# Altium PCB bms_afe_tester-1_0.PcbDoc (part 2 of 4) (continued)
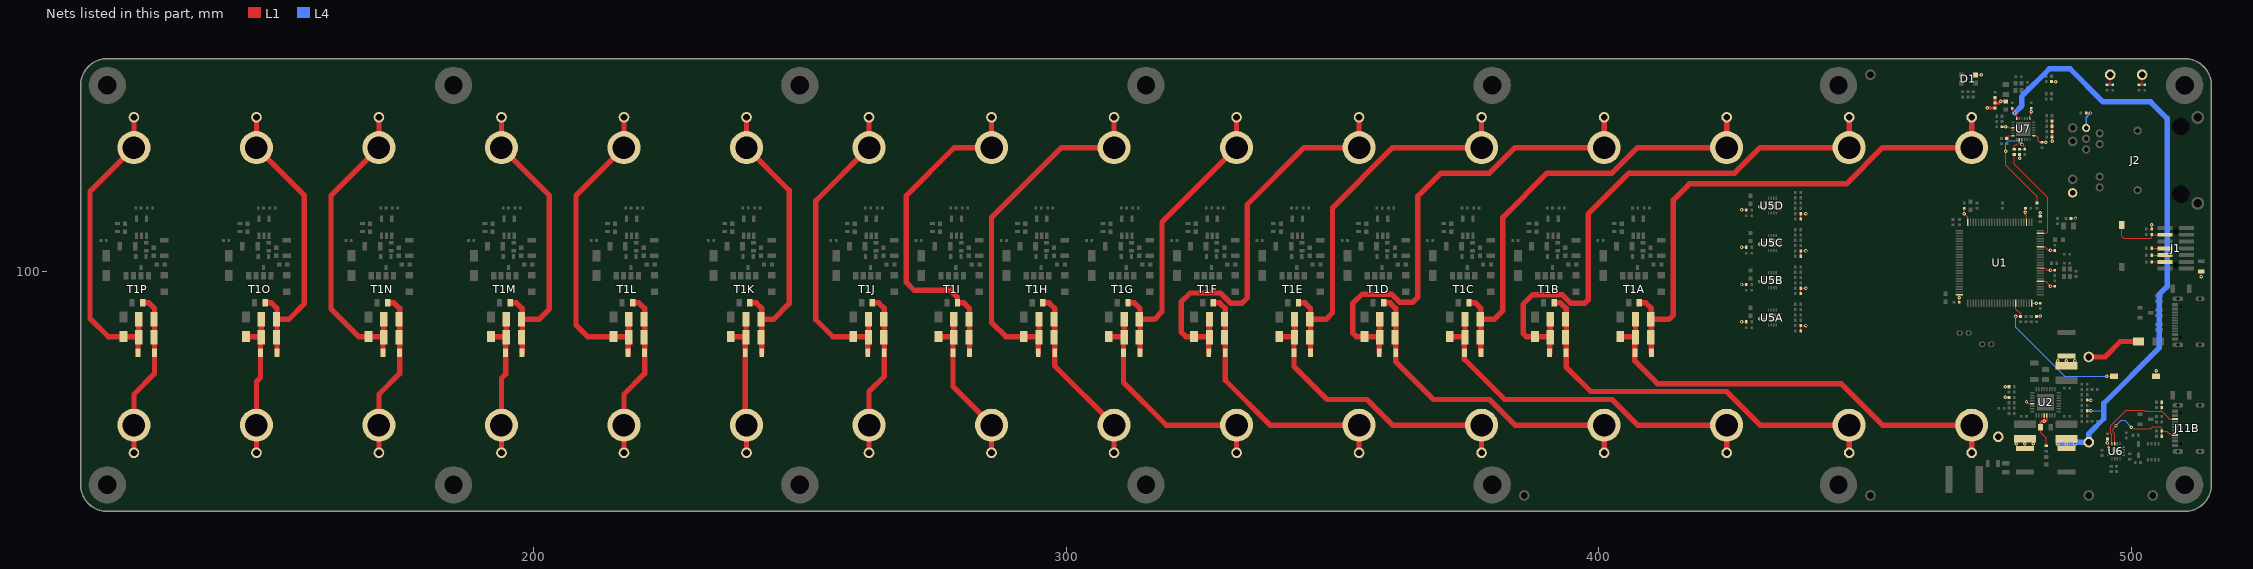
[diagram p4: the nets of this part, all layers, seen from the top]
## Part data (continued)
Q3: library part PFET_60V_DMP6023LFGQ-13, "Small Signal Field-Effect Transistor, 7.7A I(D), 60V, 1-Element, P-Channel, Silicon, Metal-oxide Semiconductor FET", Current="7.7 A", Manufacturer=Diodes, Supplier Part Number 1=31-DMP6023LFGQ-13CT-ND, Voltage="60 V", ComponentLink1Description=Datasheet, ComponentLink1URL=https://www.diodes.com/assets/Datasheets/DMP6023LFGQ.pdf, Manufacturer Part Number=DMP6023LFGQ-13, Supplier 1=Digikey, Supplier 2=LCSC, Supplier Part Number 2=C672173
R1 R2 R7 R9 R12A R12B R13A R13B R24 R30 R39 R42 R48 R50 R51 R52 R54 R56 R57 R58 R60 R61 R62 R63 R64 R65 R67A R67B R67C R67D R67E R67F R67G R67H R67I R67J R67K R67L R67M R67N R67O R67P R74A R74B R74C R74D R75A R75B R75C R75D R76 R77 R78 R79 R80 R83 R85 R87 R88 R89 R90 R95 R96 R97 R98: Manufacturer="UNI-ROYAL(Uniroyal Elec)", Package=0402, Power Rating (mW)=62.5, Temperature Coefficient=Â±100ppm/â„ƒ, Tolerance=1%, ComponentLink1Description=Datasheet, Supplier 2=LCSC
  R1 R2 R7 R24 R39 R60 R96 R97: ComponentLink1URL=https://wmsc.lcsc.com/wmsc/upload/file/pdf/v2/lcsc/2206010216_UNI-ROYAL-Uniroyal-Elec-0402WGF1001TCE_C11702.pdf, Manufacturer Part Number=0402WGF1001TCE, Supplier Part Number 2=C11702
  R9 R78: ComponentLink1URL=https://wmsc.lcsc.com/wmsc/upload/file/pdf/v2/lcsc/2206010045_UNI-ROYAL-Uniroyal-Elec-0402WGF9103TCE_C25800.pdf, Manufacturer Part Number=0402WGF9103TCE, Supplier Part Number 2=C25800
  R12A R12B R13A R13B: ComponentLink1URL=https://wmsc.lcsc.com/wmsc/upload/file/pdf/v2/lcsc/2206010045_UNI-ROYAL-Uniroyal-Elec-0402WGF5101TCE_C25905.pdf, Manufacturer Part Number=0402WGF5101TCE, Supplier Part Number 2=C25905
  R30 R51 R56 R61 R62 R63 R64 R65 R74A R74B R74C R74D R75A R75B R75C R75D R77 R83 R95 R98: ComponentLink1URL=https://wmsc.lcsc.com/wmsc/upload/file/pdf/v2/lcsc/2206010100_UNI-ROYAL-Uniroyal-Elec-0402WGF1002TCE_C25744.pdf, Manufacturer Part Number=0402WGF1002TCE, Supplier Part Number 2=C25744
  R42 R85: ComponentLink1URL=https://wmsc.lcsc.com/wmsc/upload/file/pdf/v2/lcsc/2205311900_UNI-ROYAL-Uniroyal-Elec-0402WGF3300TCE_C25104.pdf, Manufacturer Part Number=0402WGF3300TCE, Supplier Part Number 2=C25104
  R48: ComponentLink1URL=https://wmsc.lcsc.com/wmsc/upload/file/pdf/v2/lcsc/2206010030_UNI-ROYAL-Uniroyal-Elec-0402WGF7322TCE_C26986.pdf, Manufacturer Part Number=0402WGF7322TCE, Supplier Part Number 2=C26986
  R50: ComponentLink1URL=https://wmsc.lcsc.com/wmsc/upload/file/pdf/v2/lcsc/2206010045_UNI-ROYAL-Uniroyal-Elec-0402WGF8872TCE_C25922.pdf, Manufacturer Part Number=0402WGF8872TCE, Supplier Part Number 2=C25922
  R52 R54: ComponentLink1URL=https://wmsc.lcsc.com/wmsc/upload/file/pdf/v2/lcsc/2206010045_UNI-ROYAL-Uniroyal-Elec-0402WGF1501TCE_C25867.pdf, Manufacturer Part Number=0402WGF1501TCE, Supplier Part Number 2=C25867
  R57 R76: ComponentLink1URL=https://wmsc.lcsc.com/wmsc/upload/file/pdf/v2/lcsc/2206010100_UNI-ROYAL-Uniroyal-Elec-0402WGF1003TCE_C25741.pdf, Manufacturer Part Number=0402WGF1003TCE, Supplier Part Number 2=C25741
  R58: ComponentLink1URL=https://wmsc.lcsc.com/wmsc/upload/file/pdf/v2/lcsc/2206010100_UNI-ROYAL-Uniroyal-Elec-0402WGF3302TCE_C25779.pdf, Manufacturer Part Number=0402WGF3302TCE, Supplier Part Number 2=C25779
  R67A R67B R67C R67D R67E R67F R67G R67H R67I R67J R67K R67L R67M R67N R67O R67P: ComponentLink1URL=https://wmsc.lcsc.com/wmsc/upload/file/pdf/v2/lcsc/2411221126_UNI-ROYAL-Uniroyal-Elec-0402WGF6491TCE_C25916.pdf, Manufacturer Part Number=0402WGF6491TCE, Supplier Part Number 2=C25916
  R79 R80: ComponentLink1URL=https://wmsc.lcsc.com/wmsc/upload/file/pdf/v2/lcsc/2206010045_UNI-ROYAL-Uniroyal-Elec-0402WGF6041TCE_C25913.pdf, Manufacturer Part Number=0402WGF6041TCE, Supplier Part Number 2=C25913
  R87 R88 R89 R90: ComponentLink1URL=https://wmsc.lcsc.com/wmsc/upload/file/pdf/v2/lcsc/2205311900_UNI-ROYAL-Uniroyal-Elec-0402WGF499JTCE_C25120.pdf, Manufacturer Part Number=0402WGF499JTCE, Supplier Part Number 2=C25120
R3 R4 R5 R6 R22 R26 R32 R35 R36 R38 R40 R41 R69A R69B R69C R69D R81 R82 R91 R92 R93 R128A R128B R129A R129B: Manufacturer="Vishay Intertech", Package=0402, Power Rating (mW)=63, Temperature Coefficient=Â±100ppm/â„ƒ, Tolerance=1%, ComponentLink1Description=Datasheet, ComponentLink1URL=https://wmsc.lcsc.com/wmsc/upload/file/pdf/v2/lcsc/2304140030_Vishay-Intertech-CRCW040233R0FKED_C242490.pdf, Manufacturer Part Number=CRCW040233R0FKED, Supplier 2=LCSC, Supplier Part Number 2=C242490
R8A R8B R8C R8D R8E R8F R8G R8H R8I R8J R8K R8L R8M R8N R8O R8P R14A R14B R14C R14D R14E R14F R14G R14H R14I R14J R14K R14L R14M R14N R14O R14P: Manufacturer="Vishay Intertech", Package=0603, Power Rating (mW)=333, Temperature Coefficient=Â±100ppm/â„ƒ, Tolerance=1%, ComponentLink1Description=Datasheet, ComponentLink1URL=https://wmsc.lcsc.com/wmsc/upload/file/pdf/v2/lcsc/2312110926_Vishay-Intertech-CRCW06034R70FKEAHP_C313771.pdf, Manufacturer Part Number=CRCW06034R70FKEAHP, Supplier 2=LCSC, Supplier Part Number 2=C313771
R10A R10B R10C R10D R10E R10F R10G R10H R10I R10J R10K R10L R10M R10N R10O R10P: Manufacturer="ROHM Semicon", Package=1206, Power Rating (mW)=500, Temperature Coefficient=Â±100ppm/â„ƒ, Tolerance=1%, ComponentLink1Description=Datasheet, ComponentLink1URL=https://datasheet.lcsc.com/lcsc/2304140030_ROHM-Semicon-ESR18EZPF2202_C2105413.pdf, Manufacturer Part Number=ESR18EZPF2202, Supplier 2=LCSC, Supplier Part Number 2=C2105413
R11 R84: Manufacturer="Vishay Intertech", Package=0402, Power Rating (mW)=62.5, Temperature Coefficient=Â±100ppm/â„ƒ, Tolerance=1%, ComponentLink1Description=Datasheet, ComponentLink1URL=https://datasheet.lcsc.com/lcsc/2304140030_Vishay-Intertech-CRCW04021R00FKEDC_C2077765.pdf, Manufacturer Part Number=CRCW04021R00FKEDC, Supplier 2=LCSC, Supplier Part Number 2=C2077765
R20: Manufacturer="Viking Tech", Package=0805, Power Rating (mW)=100, Temperature Coefficient=Â±25ppm/â„ƒ, Tolerance=1%, ComponentLink1Description=Datasheet, ComponentLink1URL=https://wmsc.lcsc.com/wmsc/upload/file/pdf/v2/lcsc/2409280202_Viking-Tech-AR05FTC1000_C234699.pdf, Manufacturer Part Number=AR05FTC1000, Supplier 2=LCSC, Supplier Part Number 2=C234699
R49: Manufacturer="UNI-ROYAL(Uniroyal Elec)", Package=0805, Power Rating (mW)=333.3, Temperature Coefficient=Â±100ppm/â„ƒ, Tolerance=1%, ComponentLink1Description=Datasheet, ComponentLink1URL=https://datasheet.lcsc.com/lcsc/2304140030_UNI-ROYAL-Uniroyal-Elec-HP05W3F220KT5E_C2759317.pdf, Manufacturer Part Number=HP05W3F220KT5E, Supplier 2=LCSC, Supplier Part Number 2=C2759317
R59: Manufacturer=FOJAN, Package=0402, Power Rating (mW)=62.5, Temperature Coefficient=Â±100ppm/â„ƒ, Tolerance=1%, ComponentLink1Description=Datasheet, ComponentLink1URL=https://datasheet.lcsc.com/lcsc/2308241947_FOJAN-FRC0402F4532TS_C2933099.pdf, Manufacturer Part Number=FRC0402F4532TS, Supplier 2=LCSC, Supplier Part Number 2=C2933099
R66A R66B R66C R66D R66E R66F R66G R66H R66I R66J R66K R66L R66M R66N R66O R66P: Manufacturer="UNI-ROYAL(Uniroyal Elec)", Package=1206, Power Rating (mW)=500, Temperature Coefficient=Â±100ppm/â„ƒ, Tolerance=1%, ComponentLink1Description=Datasheet, ComponentLink1URL=https://wmsc.lcsc.com/wmsc/upload/file/pdf/v2/lcsc/2304140030_UNI-ROYAL-Uniroyal-Elec-HP06W2F120KT5E_C414958.pdf, Manufacturer Part Number=HP06W2F120KT5E, Supplier 2=LCSC, Supplier Part Number 2=C414958
R68A R68B R68C R68D R68E R68F R68G R68H R68I R68J R68K R68L R68M R68N R68O R68P R86: Manufacturer=YAGEO, Package=0402, Power Rating (mW)=62.5, Temperature Coefficient=Â±100ppm/â„ƒ, Tolerance=1%, ComponentLink1Description=Datasheet, Supplier 2=LCSC
  R68A R68B R68C R68D R68E R68F R68G R68H R68I R68J R68K R68L R68M R68N R68O R68P: ComponentLink1URL=https://wmsc.lcsc.com/wmsc/upload/file/pdf/v2/lcsc/2304140030_YAGEO-RC0402FR-076K98L_C137944.pdf, Manufacturer Part Number=RC0402FR-076K98L, Supplier Part Number 2=C137944
  R86: ComponentLink1URL=https://wmsc.lcsc.com/wmsc/upload/file/pdf/v2/lcsc/2304140030_YAGEO-RC0402FR-0712K1L_C132157.pdf, Manufacturer Part Number=RC0402FR-0712K1L, Supplier Part Number 2=C132157
R70A R70B R70C R70D R71A R71B R71C R71D R72A R72B R72C R72D R73A R73B R73C R73D: Manufacturer="UNI-ROYAL(Uniroyal Elec)", Package=0402, Power Rating (mW)=62.5, ComponentLink1Description=Datasheet, ComponentLink1URL=https://wmsc.lcsc.com/wmsc/upload/file/pdf/v2/lcsc/2206010216_UNI-ROYAL-Uniroyal-Elec-0402WGF0000TCE_C17168.pdf, Manufacturer Part Number=0402WGF0000TCE, Supplier 2=LCSC, Supplier Part Number 2=C17168
S2 S3: library part SWITCH_TS-1092S-B3D2-G, "SWITCH TACTILE SPST-NO", Manufacturer=Yuandi, Supplier Part Number 1=C520860, ComponentLink1Description=Datasheet, ComponentLink1URL=https://www.lcsc.com/datasheet/lcsc_datasheet_2005071437_Yuandi-TS-1092S-B3D2-G_C520860.pdf, Manufacturer Part Number=TS-1092S-B3D2-G, Supplier 1=LCSC
T1A T1B T1C T1D T1E T1F T1G T1H T1I T1J T1K T1L T1M T1N T1O T1P: library part TRANS_PULSE_PH9585.003NLT, "Flyback Converters For SMPS Transformer 2250V Isolation 430kHz Surface Mount", Manufacturer="Pulse Electronics", Supplier Part Number 1=553-PH9585.003NLTCT-ND, ComponentLink1Description=Datasheet, ComponentLink1URL=https://yageogroup.com/content/datasheet/asset/file/DATASHEET_P858, Manufacturer Part Number=PH9585.003NLT, Supplier 1=Digikey, Supplier 2=LCSC, Supplier Part Number 2=C17554365
TP1 TP2: library part RH-5002, "THT white clip turret", Manufacturer=ronghe, Supplier Part Number 1=C5199802, ComponentLink1Description=Datasheet, ComponentLink1URL=https://datasheet.lcsc.com/lcsc/2307040929_ronghe-RH-5000_C5277086.pdf, Manufacturer Part Number=RH-5002, Supplier 1=LCSC
TP3 TP4 TP5 TP6 TP7 TP8 TP9 TP10 TP11 TP12 TP13 TP14 TP15 TP16 TP17 TP18 TP19 TP20 TP21 TP22 TP23 TP24 TP25 TP26 TP27 TP28 TP29 TP30 TP31 TP32 TP33 TP34 TP35 TP36 TP37 TP38 TP39 TP41 TP43 TP45: Manufacturer=ronghe, ComponentLink1Description=Datasheet, ComponentLink1URL=https://datasheet.lcsc.com/lcsc/2307040929_ronghe-RH-5000_C5277086.pdf, Supplier 2=LCSC
  TP3 TP4 TP6 TP8 TP10 TP12 TP14 TP16 TP18 TP20 TP22 TP24 TP26 TP28 TP30 TP32 TP33 TP35 TP36 TP37: Manufacturer Part Number=RH-5000, Supplier Part Number 2=C5277086
  TP5 TP7 TP9 TP11 TP13 TP15 TP17 TP19 TP21 TP23 TP25 TP27 TP29 TP31 TP34 TP38 TP39 TP41 TP43 TP45: Manufacturer Part Number=RH-5001, Supplier Part Number 2=C5199801
TP62 TP63: library part TEST_GRABBER, "EMBEDDED TEST POINT FOR SALEAE TEST CLIPS"
U1: library part MCU_STM32F427VGT6, "ARM Cortex®-M4 STM32F4 Microcontroller IC 32-Bit 180MHz 1MB (1M x 8) FLASH 100-LQFP (14x14)", Manufacturer="ST Microelectronics", Supplier Part Number 1=497-17449-ND, ComponentLink1Description=Datasheet, ComponentLink1URL=https://www.st.com/content/ccc/resource/technical/document/datasheet/03/b4/b2/36/4c/72/49/29/DM00071990.pdf/files/DM00071990.pdf/jcr:content/translations/en.DM00071990.pdf, ComponentLink2Description="Reference Manual", ComponentLink2URL=https://www.st.com/resource/en/reference_manual/rm0090-stm32f405415-stm32f407417-stm32f427437-and-stm32f429439-advanced-armbased-32bit-mcus-stmicroelectronics.pdf, ComponentLink3Description="AN1709: Bootloader", ComponentLink3URL=https://www.st.com/resource/en/application_note/an2606-stm32-microcontroller-system-memory-boot-mode-stmicroelectronics.pdf, Manufacturer Part Number=STM32F427VGT6, Supplier 1=Digikey, Supplier 2=LCSC, Supplier Part Number 2=C117815
U2: library part BUCK_TPS65263QRHBRQ1, "Switching Regulator, Current-mode, 3A, 2300kHz Switching Freq-Max, PQCC32", Manufacturer="Texas Instruments", Supplier Part Number 1=296-40886-1-ND, ComponentLink4Description=Datasheet, ComponentLink4URL=https://www.ti.com/lit/ds/symlink/tps65263-q1.pdf, Manufacturer Part Number=TPS65263QRHBRQ1, Supplier 1=Digikey, Supplier 2=LCSC, Supplier Part Number 2=C2073290
U3A U3B U3C U3D U3E U3F U3G U3H U3I U3J U3K U3L U3M U3N U3O U3P: library part FLYBACK_GP82410, "70kHz 300mV~31V SOT-23-5 AC-DC Controllers and Regulators ROHS / FLYBACK_GP82410", Manufacturer=Hanrun, Supplier Part Number 1=C19626938, ComponentLink1Description=Datasheet, ComponentLink1URL=https://lcsc.com/datasheet/lcsc_datasheet_2312081757_HaloChip-GP82410_C19626938.pdf, Manufacturer Part Number=GP82410, Supplier 1=LCSC
U5A U5B U5C U5D: library part DAC_DAC43204RTER, "IC DAC 8BIT V OR A-OUT 16WQFN", Manufacturer="Texas Instruments", Supplier Part Number=296-DAC43204RTERTR-ND, ComponentLink1Description=Datasheet, ComponentLink1URL=https://www.ti.com/lit/ds/symlink/dac43204.pdf, Manufacturer Part Number=DAC43204RTER, Supplier 1=Digi-Key, Supplier 2=LCSC, Supplier Part Number 2=C5215475
U6: library part USB_PD_HUSB238A, "USB PD EPR SINK CONTROLLER WITH I2C", Manufacturer=Hynetek, Supplier Part Number 1=C24833806, ComponentLink1Description=Datasheet, ComponentLink1URL=https://www.lcsc.com/datasheet/lcsc_datasheet_2412301710_Hynetek-HUSB238A-BB001-QN16R_C24833806.pdf, ComponentLink2Description="Product page", ComponentLink2URL=https://en.hynetek.com/2643.html, Manufacturer Part Number=HUSB238A-BB001-QN16R, Supplier 1=LCSC
U7: library part ETH_PHY_LAN8742AI, "Ethernet Transceiver, PQCC24", Manufacturer=Microchip, Supplier Part Number 1=LAN8742AI-CZ-CT-ND, ComponentLink1Description=Datasheet, ComponentLink1URL=https://ww1.microchip.com/downloads/aemDocuments/documents/OTH/ProductDocuments/DataSheets/8742a.pdf, Manufacturer Part Number=LAN8742AI-CZ-TR, Supplier 1=Digikey, Supplier 2=LCSC, Supplier Part Number 2=C153279
X1 X3: "CRYSTAL 25.000MHZ 6PF SMD", Manufacturer=Murata, Manufacturer Part Number=XRCGB25M000F3A00R0, Supplier Part Number 1=490-12146-2-ND, ComponentLink1Description=Datasheet, ComponentLink1URL=https://www.murata.com/products/productdata/8801076543518/SPEC-XRCGB25M000F3A00R0.pdf, Supplier 1=Digikey, Supplier 2=LCSC, Supplier Part Number 2=C467842

## Via types
v1: diameter 0.65, hole 0.3, L1 to L4, 396 vias

## Nets (pads, with @x,y where several pads share a name; then routed paths per layer and width w, separated by ;. In a path a pad name is that pad's centre, name@x,y a point inside that pad or via, vN(x,y) a via of type N, cw(c..) or ccw(c..) an arc to the next point about the centre after c; other vN are vias at no path point)
1P2: C31.1 C50.1 L3.2 R63.2 TP37.1 U7.6 | length 115.2
  L1 w0.2: C50.1@477.6,130.7 477.6,130.3 v1(478.1,129.8) 478.45,129.45 U7.6@478.45,128.75 ; R63.2@491.7,73.9 v1(492.4,73.9)
  L4 w0.2: v1(492.4,73.9) 494.75,73.9 494.8,73.85
  L4 w1: v1(478.1,129.8) 479.4,131.1 479.4,132.9 484.6,138.1 488.5,138.1 494.7,131.9 503.6,131.9 506.7,128.8 506.7,97.2 505.2,95.7 505.2,85.7 494.8,75.3 494.8,73.85 494.8,72.4 492,69.6 TP37.1@492,68 489.7,68 v1(489.4,67.7) v1(487.8,67.7) v1(486.2,67.7)
3P3: C4.1 C5.1 C6.1 C7.1 C8.1 C9.1 C10.1 C28.1 C45.1 C49.1 D1.2 FB1.2 FB3.1 L2.2 R20.2 R30.1 R52.2 R54.2 R59.2 R73A.1 R73B.1 R73C.1 R73D.1 R74A.2 R74B.2 R74C.2 R74D.2 R75A.2 R75B.2 R75C.2 R75D.2 R83.1 S3.2 TP35.1 U1.6 U1.11 U1.19 U1.28 U1.50 U1.75 U1.100 U2.5 U5A.15 U5B.15 U5C.15 U5D.15 U6.5 U7.9 | length 47
  L1 w0.2: v1(426.8,90.6) R75A.2@427.7,90.6 ; v1(426.8,97.6) R75B.2@427.7,97.6 ; v1(426.8,104.6) R75C.2@427.7,104.6 ; v1(426.8,111.6) R75D.2@427.7,111.6 ; v1@430.238,91.167 v1(430.254,91.15) U5A.15@431.2,91.15 ; v1(430.238,98.167) 430.254,98.15 U5B.15@431.2,98.15 ; v1(430.238,105.167) 430.254,105.15 U5C.15@431.2,105.15 ; v1(430.238,112.167) 430.254,112.15 U5D.15@431.2,112.15 ; R74A.2@437.9,88.9 R73A.1@437.9,89.9 v1(438.9,89.9) ; R74B.2@437.9,95.9 R73B.1@437.9,96.9 v1(438.9,96.9) ; R74C.2@437.9,102.9 R73C.1@437.9,103.9 v1(438.9,103.9) ; R74D.2@437.9,109.9 R73D.1@437.9,110.9 v1(438.9,110.9) ; C6.1@467.7,94.3 v1(467.7,95.1) U1.75@467.7,95.7 ; C9.1@468.6,111.9 v1(468.6,110.9) 469.3,110.2 U1.50@469.3,109.3 ; D1.2@470.75,136.95 v1@471.791,136.95 ; C49.1@475.7,127.2 v1(476.4,127.2) 476.9,127.2 477.05,127.05 U7.9@477.75,127.05 ; v1(476.3,76.4) R59.2@477,76.4 ; v1(479,121.3) R83.1@479,122 ; C5.1@480.1,111.9 v1(480.1,111.2) 480.1,110.7 480.3,110.5 U1.28@480.3,109.3 ; v1(480.3,75.6) 480.65,75.25 U2.5@481.4,75.25 ; U1.100@481.3,94.1 v1(482.1,94.1) C10.1@482.9,94.1 ; R54.2@482.2,91.6 v1(482.9,91.6) ; U1.11@482.9,100.7 483.8,100.7 484.2,100.3 v1(484.8,100.3) C4.1@485.6,100.3 ; U1.19@482.9,104.7 483.7,104.7 484.4,104 v1(484.8,104) C8.1@485.6,104 ; R52.2@482.9,110.4 v1(482.9,111.1) ; FB1.2@488.65,110 v1(489.5,110) ; C45.1@495.5,68.6 v1(495.5,67.9) 495.7,67.7 U6.5@495.7,67.05 ; R30.1@503.8,108 v1(503.8,108.8) ; v1(504.641,81.424) 504.65,81.415 S3.2@504.65,80.4 ; v1(513.1,99.1) R20.2@513.1,100.05
  L1 w0.203: U1.6@482.9,98.2 483.9,98.2 v1(484.8,97.3) C7.1@485.6,97.3
  L1 w0.5: v1(472.9,130.8) 472.95,130.75 FB3.1@474.4,130.75
  other v1: 478.4,67.7 480,67.7 481.6,67.7 471.792,136.951
5P0: C22.1 C27.1 D2.2 L1.2 R48.2 R57.2 R60.2 TP33.1 U2.12 U2.13 | length 20.2
  L1 w0.2: v1(476.3,78.4) R57.2@477,78.4 ; C27.1@482.95,70.8 482.95,69.75 484,68.7 R60.2@484,67.3 ; R48.2@491.7,75.9 v1(492.4,75.9)
  L1 w0.3: U2.12@483.625,73.025 483.625,71.925 v1(483.6,71.9) 484,71.9 484.125,72.025 U2.13@484.125,73.025
  L1 w0.5: C27.1@482.95,70.8 482.95,71.65 483.2,71.9 v1(483.6,71.9)
  L1 w1: TP33.1@492,84 495,84 497.9,86.9 D2.2@501.35,86.9
  other v1: 486.2,83.3 487.8,83.3 489.4,83.3
BOOT0_2: R39.1 S3.1 U1.94 | length 28
  L1 w0.203: v1(478.3,91.6) R39.1@479.2,91.6 479.2,92.1 478.3,93 U1.94@478.3,94.1 ; v1(495.4,80.4) S3.1@496.75,80.4
  L4 w0.203: v1(478.3,91.6) 478.3,89.6 487.5,80.4 v1(495.4,80.4)
C0_1_N: C37A.2 C39A.2 C40A.2 H1.1 T1A.6 TP5.1 | length 102.3
  L1 w1: T1A.6@407.625,94.166 408.825,94.166 409.875,93.116 C40A.2@409.875,84.766 ; C39A.2@409.75,91.066 413.166,91.066 414,91.9 414,113.5 417,116.5 446.5,116.5 453.3,123.3 H1.1@469.3,123.3 ; H1.1@470,123.3 TP5.1@470,129
C0_1_P: C37A.1 C39A.1 C40A.1 D7A.2 H2.1 TP4.1 | length 84.2
  L1 w1: D7A.2@404.025,87.816 406.75,87.816 C37A.1@406.9,87.666 ; C39A.1@406.9,91.066 C37A.1@406.9,87.666 ; TP4.1@470,66 H2.1@470,71.2 453.3,71.2 445.5,79 411,79 406.775,83.225 C40A.1@406.775,84.766 406.775,87.541 C37A.1@406.9,87.666
C1_1_N: C37B.2 C39B.2 C40B.2 H3.1 T1B.6 TP7.1 | length 76.5
  L1 w1: T1B.6@391.625,94.166 392.825,94.166 393.875,93.116 C40B.2@393.875,84.766 393.875,82.125 398.5,77.5 424,77.5 430.3,71.2 H3.1@447,71.2 ; TP7.1@447,66 H3.1@447,71.2
C1_1_P: C37B.1 C39B.1 C40B.1 D7B.2 H4.1 TP6.1 | length 107.1
  L1 w1: C40B.1@390.775,84.766 390.775,87.541 C37B.1@390.9,87.666 ; C39B.1@390.9,91.066 C37B.1@390.9,87.666 ; H4.1@447,123.3 430.3,123.3 425.5,118.5 405.7,118.5 398,110.8 398,94.7 397.4,94.1 394.7,94.1 393.1,95.7 387.6,95.7 385.8,93.9 385.8,88.4 386.384,87.816 D7B.2@388.025,87.816 390.75,87.816 C37B.1@390.9,87.666 ; H4.1@447,123.3 TP6.1@447,129
C2_1_N: C37C.2 C39C.2 C40C.2 H5.1 T1C.6 TP9.1 | length 86.6
  L1 w1: T1C.6@375.625,94.166 376.825,94.166 377.875,93.116 C40C.2@377.875,84.766 ; C39C.2@377.75,91.066 380.366,91.066 382,92.7 382,110.2 390.3,118.5 402.5,118.5 407.3,123.3 H5.1@424,123.3 TP9.1@424,129
C2_1_P: C37C.1 C39C.1 C40C.1 D7C.2 H6.1 TP8.1 | length 70
  L1 w1: D7C.2@372.025,87.816 374.75,87.816 C37C.1@374.9,87.666 ; C39C.1@374.9,91.066 C37C.1@374.9,87.666 ; TP8.1@424,66 H6.1@424,71.2 407.3,71.2 402.5,76 382.349,76 374.775,83.574 C40C.1@374.775,84.766 374.775,87.541 C37C.1@374.9,87.666
C3_1_N: C37D.2 C39D.2 C40D.2 H7.1 T1D.6 TP11.1 | length 61.9
  L1 w1: T1D.6@359.625,94.166 360.825,94.166 361.875,93.116 C40D.2@361.875,84.766 361.875,83.125 369,76 379.5,76 384.3,71.2 H7.1@401,71.2 TP11.1@401,66
C3_1_P: C37D.1 C39D.1 C40D.1 D7D.2 H8.1 TP10.1 | length 94.6
  L1 w1: C40D.1@358.775,84.766 358.775,87.541 C37D.1@358.9,87.666 ; C39D.1@358.9,91.066 C37D.1@358.9,87.666 ; TP10.1@401,129 H8.1@401,123.3 384.3,123.3 379.5,118.5 370.4,118.5 366,114.1 366,95.2 365.1,94.3 362.6,94.3 361.1,95.8 355.6,95.8 353.8,94 353.8,88.5 354.484,87.816 D7D.2@356.025,87.816 358.75,87.816 C37D.1@358.9,87.666
C4_1_N: C37E.2 C39E.2 C40E.2 H9.1 T1E.6 TP13.1 | length 73.9
  L1 w1: T1E.6@343.625,94.166 344.825,94.166 345.875,93.116 C40E.2@345.875,84.766 ; C39E.2@345.75,91.066 348.766,91.066 350,92.3 350,112 361.3,123.3 H9.1@378,123.3 TP13.1@378,129
C4_1_P: C37E.1 C39E.1 C40E.1 D7E.2 H10.1 TP12.1 | length 56.8
  L1 w1: D7E.2@340.025,87.816 342.75,87.816 C37E.1@342.9,87.666 ; C39E.1@342.9,91.066 C37E.1@342.9,87.666 ; TP12.1@378,66 H10.1@378,71.2 361.3,71.2 356.5,76 349,76 342.775,82.225 C40E.1@342.775,84.766 342.775,87.541 C37E.1@342.9,87.666
C5_1_N: C37F.2 C39F.2 C40F.2 H11.1 T1F.6 TP15.1 | length 50
  L1 w1: T1F.6@327.625,94.166 328.825,94.166 329.875,93.116 C40F.2@329.875,84.766 329.875,79.625 338.3,71.2 H11.1@355,71.2 TP15.1@355,66
C5_1_P: C37F.1 C39F.1 C40F.1 D7F.2 H12.1 TP14.1 | length 80.6
  L1 w1: C40F.1@326.775,84.766 326.775,87.541 C37F.1@326.9,87.666 ; C39F.1@326.9,91.066 C37F.1@326.9,87.666 ; TP14.1@355,129 H12.1@355,123.3 344.7,123.3 334,112.6 334,95.1 333,94.1 330.9,94.1 329,96 323.3,96 321.6,94.3 321.6,88.7 322.484,87.816 D7F.2@324.025,87.816 326.75,87.816 C37F.1@326.9,87.666
C6_1_N: C37G.2 C39G.2 C40G.2 H13.1 T1G.6 TP17.1 | length 58.2
  L1 w1: T1G.6@311.625,94.166 312.825,94.166 313.875,93.116 C40G.2@313.875,84.766 ; C39G.2@313.75,91.066 316.566,91.066 318,92.5 318,109.3 H13.1@332,123.3 TP17.1@332,129
C6_1_P: C37G.1 C39G.1 C40G.1 D7G.2 H14.1 TP16.1 | length 44.6
  L1 w1: D7G.2@308.025,87.816 310.75,87.816 C37G.1@310.9,87.666 ; C39G.1@310.9,91.066 C37G.1@310.9,87.666 ; TP16.1@332,66 H14.1@332,71.2 318.8,71.2 310.775,79.225 C40G.1@310.775,84.766 310.775,87.541 C37G.1@310.9,87.666
C7_1_N: C37H.2 C39H.2 C40H.2 H15.1 T1H.6 TP19.1 | length 34.4
  L1 w1: T1H.6@295.625,94.166 296.825,94.166 297.875,93.116 C40H.2@297.875,84.766 297.875,82.325 H15.1@309,71.2 TP19.1@309,66
C7_1_P: C37H.1 C39H.1 C40H.1 D7H.2 H16.1 TP18.1 | length 70.3
  L1 w1: C40H.1@294.775,84.766 294.775,87.541 C37H.1@294.9,87.666 ; C39H.1@294.9,91.066 C37H.1@294.9,87.666 ; TP18.1@309,129 H16.1@309,123.3 299.1,123.3 286,110.2 286,90.5 288.684,87.816 D7H.2@292.025,87.816 294.75,87.816 C37H.1@294.9,87.666
C8_1_N: C37I.2 C39I.2 C40I.2 H17.1 T1I.6 TP21.1 | length 64.6
  L1 w1: C40I.2@281.875,84.766 281.875,93.116 280.825,94.166 T1I.6@279.625,94.166 279.625,95.175 278.3,96.5 271.5,96.5 270,98 270,114.3 279,123.3 H17.1@286,123.3 TP21.1@286,129
C8_1_P: C37I.1 C39I.1 C40I.1 D7I.2 H18.1 TP20.1 | length 31
  L1 w1: D7I.2@276.025,87.816 278.75,87.816 C37I.1@278.9,87.666 ; C39I.1@278.9,91.066 C37I.1@278.9,87.666 ; TP20.1@286,66 H18.1@286,71.2 278.775,78.425 C40I.1@278.775,84.766 278.775,87.541 C37I.1@278.9,87.666
C9_1_N: C37J.2 C39J.2 C40J.2 H19.1 T1J.6 TP23.1 | length 31
  L1 w1: TP23.1@263,66 H19.1@263,71.2 263,77.5 265.875,80.375 C40J.2@265.875,84.766 265.875,93.116 264.825,94.166 T1J.6@263.625,94.166
C9_1_P: C37J.1 C39J.1 C40J.1 D7J.2 H20.1 TP22.1 | length 59.8
  L1 w1: C40J.1@262.775,84.766 262.775,87.541 C37J.1@262.9,87.666 ; C39J.1@262.9,91.066 C37J.1@262.9,87.666 ; TP22.1@263,129 H20.1@263,123.3 253,113.3 253,91 256.184,87.816 D7J.2@260.025,87.816 262.75,87.816 C37J.1@262.9,87.666
C10_1_N: C37K.2 C39K.2 C40K.2 H21.1 T1K.6 TP25.1 | length 55.8
  L1 w1: TP25.1@240,129 H21.1@240,123.3 248,115.3 248,94 245.066,91.066 C39K.2@242.75,91.066 ; T1K.6@240.625,94.166 241.825,94.166 242.875,93.116 C40K.2@242.875,84.766
C10_1_P: C37K.1 C39K.1 C40K.1 D7K.2 H22.1 TP24.1 | length 28.1
  L1 w1: D7K.2@237.025,87.816 239.75,87.816 C37K.1@239.9,87.666 ; C39K.1@239.9,91.066 C37K.1@239.9,87.666 ; TP24.1@240,66 H22.1@240,71.2 239.775,71.425 C40K.1@239.775,84.766 239.775,87.541 C37K.1@239.9,87.666
C11_1_N: C37L.2 C39L.2 C40L.2 H23.1 T1L.6 TP27.1 | length 31.4
  L1 w1: TP27.1@217,66 H23.1@217,71.2 217,77 220.875,80.875 C40L.2@220.875,84.766 220.875,93.116 219.825,94.166 T1L.6@218.625,94.166
C11_1_P: C37L.1 C39L.1 C40L.1 D7L.2 H24.1 TP26.1 | length 59.9
  L1 w1: TP26.1@217,129 H24.1@217,123.3 208,114.3 208,90 210.184,87.816 D7L.2@215.025,87.816 217.75,87.816 C37L.1@217.9,87.666 ; C40L.1@217.775,84.766 217.775,87.541 C37L.1@217.9,87.666 ; C39L.1@217.9,91.066 C37L.1@217.9,87.666
C12_1_N: C37M.2 C39M.2 C40M.2 H25.1 T1M.6 TP29.1 | length 56.8
  L1 w1: TP29.1@194,129 H25.1@194,123.3 203,114.3 203,93 201.066,91.066 C39M.2@197.75,91.066 ; T1M.6@195.625,94.166 196.825,94.166 197.875,93.116 C40M.2@197.875,84.766
C12_1_P: C37M.1 C39M.1 C40M.1 D7M.2 H26.1 TP28.1 | length 28.4
  L1 w1: D7M.2@192.025,87.816 194.75,87.816 C37M.1@194.9,87.666 ; TP28.1@194,66 H26.1@194,71.2 194,80 194.775,80.775 C40M.1@194.775,84.766 194.775,87.541 C37M.1@194.9,87.666 ; C39M.1@194.9,91.066 C37M.1@194.9,87.666
C13_1_N: C37N.2 C39N.2 C40N.2 H27.1 T1N.6 TP31.1 | length 31.4
  L1 w1: TP31.1@171,66 H27.1@171,71.2 171,77 174.875,80.875 C40N.2@174.875,84.766 174.875,93.116 173.825,94.166 T1N.6@172.625,94.166
C13_1_P: C37N.1 C39N.1 C40N.1 D7N.2 H28.1 TP30.1 | length 58.2
  L1 w1: TP30.1@171,129 H28.1@171,123.3 162,114.3 162,93 167.184,87.816 D7N.2@169.025,87.816 171.75,87.816 C37N.1@171.9,87.666 ; C40N.1@171.775,84.766 171.775,87.541 C37N.1@171.9,87.666 ; C39N.1@171.9,91.066 C37N.1@171.9,87.666
C14_1_N: C37O.2 C39O.2 C40O.2 H29.1 T1O.6 TP34.1 | length 56.2
  L1 w1: TP34.1@148,129 H29.1@148,123.3 157,114.3 157,94 154.066,91.066 C39O.2@151.75,91.066 ; T1O.6@149.625,94.166 150.825,94.166 151.875,93.116 C40O.2@151.875,84.766
C14_1_P: C37O.1 C39O.1 C40O.1 D7O.2 H30.1 TP32.1 | length 28.4
  L1 w1: D7O.2@146.025,87.816 148.75,87.816 C37O.1@148.9,87.666 ; TP32.1@148,66 H30.1@148,71.2 148,79.4 148.775,80.175 C40O.1@148.775,84.766 148.775,87.541 C37O.1@148.9,87.666 ; C39O.1@148.9,91.066 C37O.1@148.9,87.666
C15_1_N: C37P.2 C39P.2 C40P.2 H31.1 T1P.6 TP38.1 | length 31.4
  L1 w1: TP38.1@125,66 H31.1@125,71.2 125,77 128.875,80.875 C40P.2@128.875,84.766 128.875,93.116 127.825,94.166 T1P.6@126.625,94.166
C15_1_P: C37P.1 C39P.1 C40P.1 D7P.2 H32.1 TP36.1 | length 58.1
  L1 w1: TP36.1@125,129 H32.1@125,123.3 116.765,115.065 116.765,91.235 120.184,87.816 D7P.2@123.025,87.816 125.75,87.816 C37P.1@125.9,87.666 ; C40P.1@125.775,84.766 125.775,87.541 C37P.1@125.9,87.666 ; C39P.1@125.9,91.066 C37P.1@125.9,87.666
CC_PWR.CC1_1: C35B.1 J11B.A5 R13B.1 U6.3 | length 17.9
  L1 w0.2: U6.3@496.85,67.7 496.85,69.65 496.6,69.9 496.6,70.6 v1(497.1,71.1) ; v1(500,70.8) 500.3,70.5 503.6,70.5 504,70.9 505.4,70.9 505.7,70.6 C35B.1@505.7,70.1 ; R13B.1@505.7,69.1 C35B.1@505.7,70.1 ; J11B.A5@508.15,69.35 507.35,69.35 506.6,70.1 C35B.1@505.7,70.1
  L4 w0.2: v1(497.1,71.1) 498.1,72.1 498.7,72.1 v1(500,70.8)
CC_PWR.CC2_1: C34B.1 J11B.B5 R12B.1 U6.4 | length 19.1
  L1 w0.2: U6.4@496.35,67.7 496.35,69.45 496.1,69.7 496.1,71.1 499,74 502.4,74 502.6,73.8 505.7,73.8 ; R12B.1@505.7,75.5 C34B.1@505.7,74.5 505.7,73.8 ; J11B.B5@508.15,72.35 507.15,72.35 505.7,73.8
CONN_nRST_2: J1.12 R32.2 S2.2 | length 10.9
  L1 w0.203: S2.2@498.2,108.75 498.2,106.7 498.6,106.3 503.6,106.3 503.8,106.5 R32.2@503.8,107 503.86,106.94 J1.12@506.268,106.94
CONN_SWCLK_2: J1.6 R26.2 | length 2.5
  L1 w0.2: R26.2@503.8,103.1 503.83,103.13 J1.6@506.268,103.13
CONN_SWDIO_2: J1.4 R22.2 | length 2.5
  L1 w0.203: R22.2@503.8,101.8 503.86,101.86 J1.4@506.268,101.86
CONN_SWO_2: J1.8 R6.2 | length 2.5
  L1 w0.2: R6.2@503.8,104.4 J1.8@506.268,104.4
CT: C36.1 J2.7 | length 3.9
  L1 w0.3: C36.1@491.5,129.8 v1(492.3,129.8)
  L4 w0.3: J2.7@491.5,127 491.5,129 v1(492.3,129.8)
DAC1_2: C3.1 R4.1 TP1.1 | length 3
  L1 w0.2: R4.1@501.4,135.1 502,135.1 ; TP1.1@502,137 502,135.1 ; C3.1@502.5,135.1 502,135.1
DAC2_2: C11.1 R5.1 TP2.1 | length 3
  L1 w0.203: R5.1@495.4,135.1 496,135.1 ; TP2.1@496,137 496,135.1 ; C11.1@496.5,135.1 496,135.1
ETH_MDIO: R81.1 U7.12 | length 1.6
  L1 w0.2: R81.1@476.6,125 476.6,125.4 476.75,125.55 U7.12@477.75,125.55
ETH_nRST_1: C51.1 R3.1 R83.2 U7.15 | length 20.3
  L1 w0.2: v1(476.4,122.6) 476.4,120 482.3,114.1 R3.1@482.3,112.9 ; R83.2@479,123 C51.1@480,123 480,123.342 v1(479.449,123.893) 479.45,123.894 U7.15@479.45,124.85
  L4 w0.2: v1(476.4,122.6) 476.4,124.1 476.9,124.6 478.742,124.6 v1(479.449,123.893)
ETH_REFCLK_1: R82.2 U1.24 | length 18.6
  L1 w0.203: R82.2@478,122 478,120.2 484.3,113.9 484.3,107.5 484,107.2 U1.24@482.9,107.2
ETH_REFCLKO: R82.1 U7.14 | length 2.4
  L1 w0.2: R82.1@478,123 478,123.6 478.2,123.8 478.5,123.8 478.95,124.25 U7.14@478.95,124.85
ETH_VDDA: C46.1 C47.1 C56.1 FB3.2 J2.15 R84.2 R87.1 R88.1 R89.1 R90.1 R95.2 U7.1 U7.19 | length 13
  L1 w0.2: U7.1@480.95,128.75 480.95,129.35 481.2,129.6 v1(481.2,130) C46.1@481.2,130.7 ; U7.19@481.65,125.55 482.15,125.55 482.5,125.2 482.5,124.6 482.8,124.3 C56.1@483.2,124.3 v1(483.9,124.3)
  L1 w0.203: R95.2@485,135.7 v1(485.8,135.7)
  L1 w0.3: v1(485.1,124.5) R89.1@485.1,125.3 R87.1@485.1,126.3 R90.1@485.1,127.3 R88.1@485.1,128.3
  L1 w0.5: R84.2@474.4,132.7 FB3.2@474.4,131.65 475.15,131.65 v1(475.5,132) 476.35,132 C47.1@476.4,131.95